# Allegro board board_orcad.brd (continued)
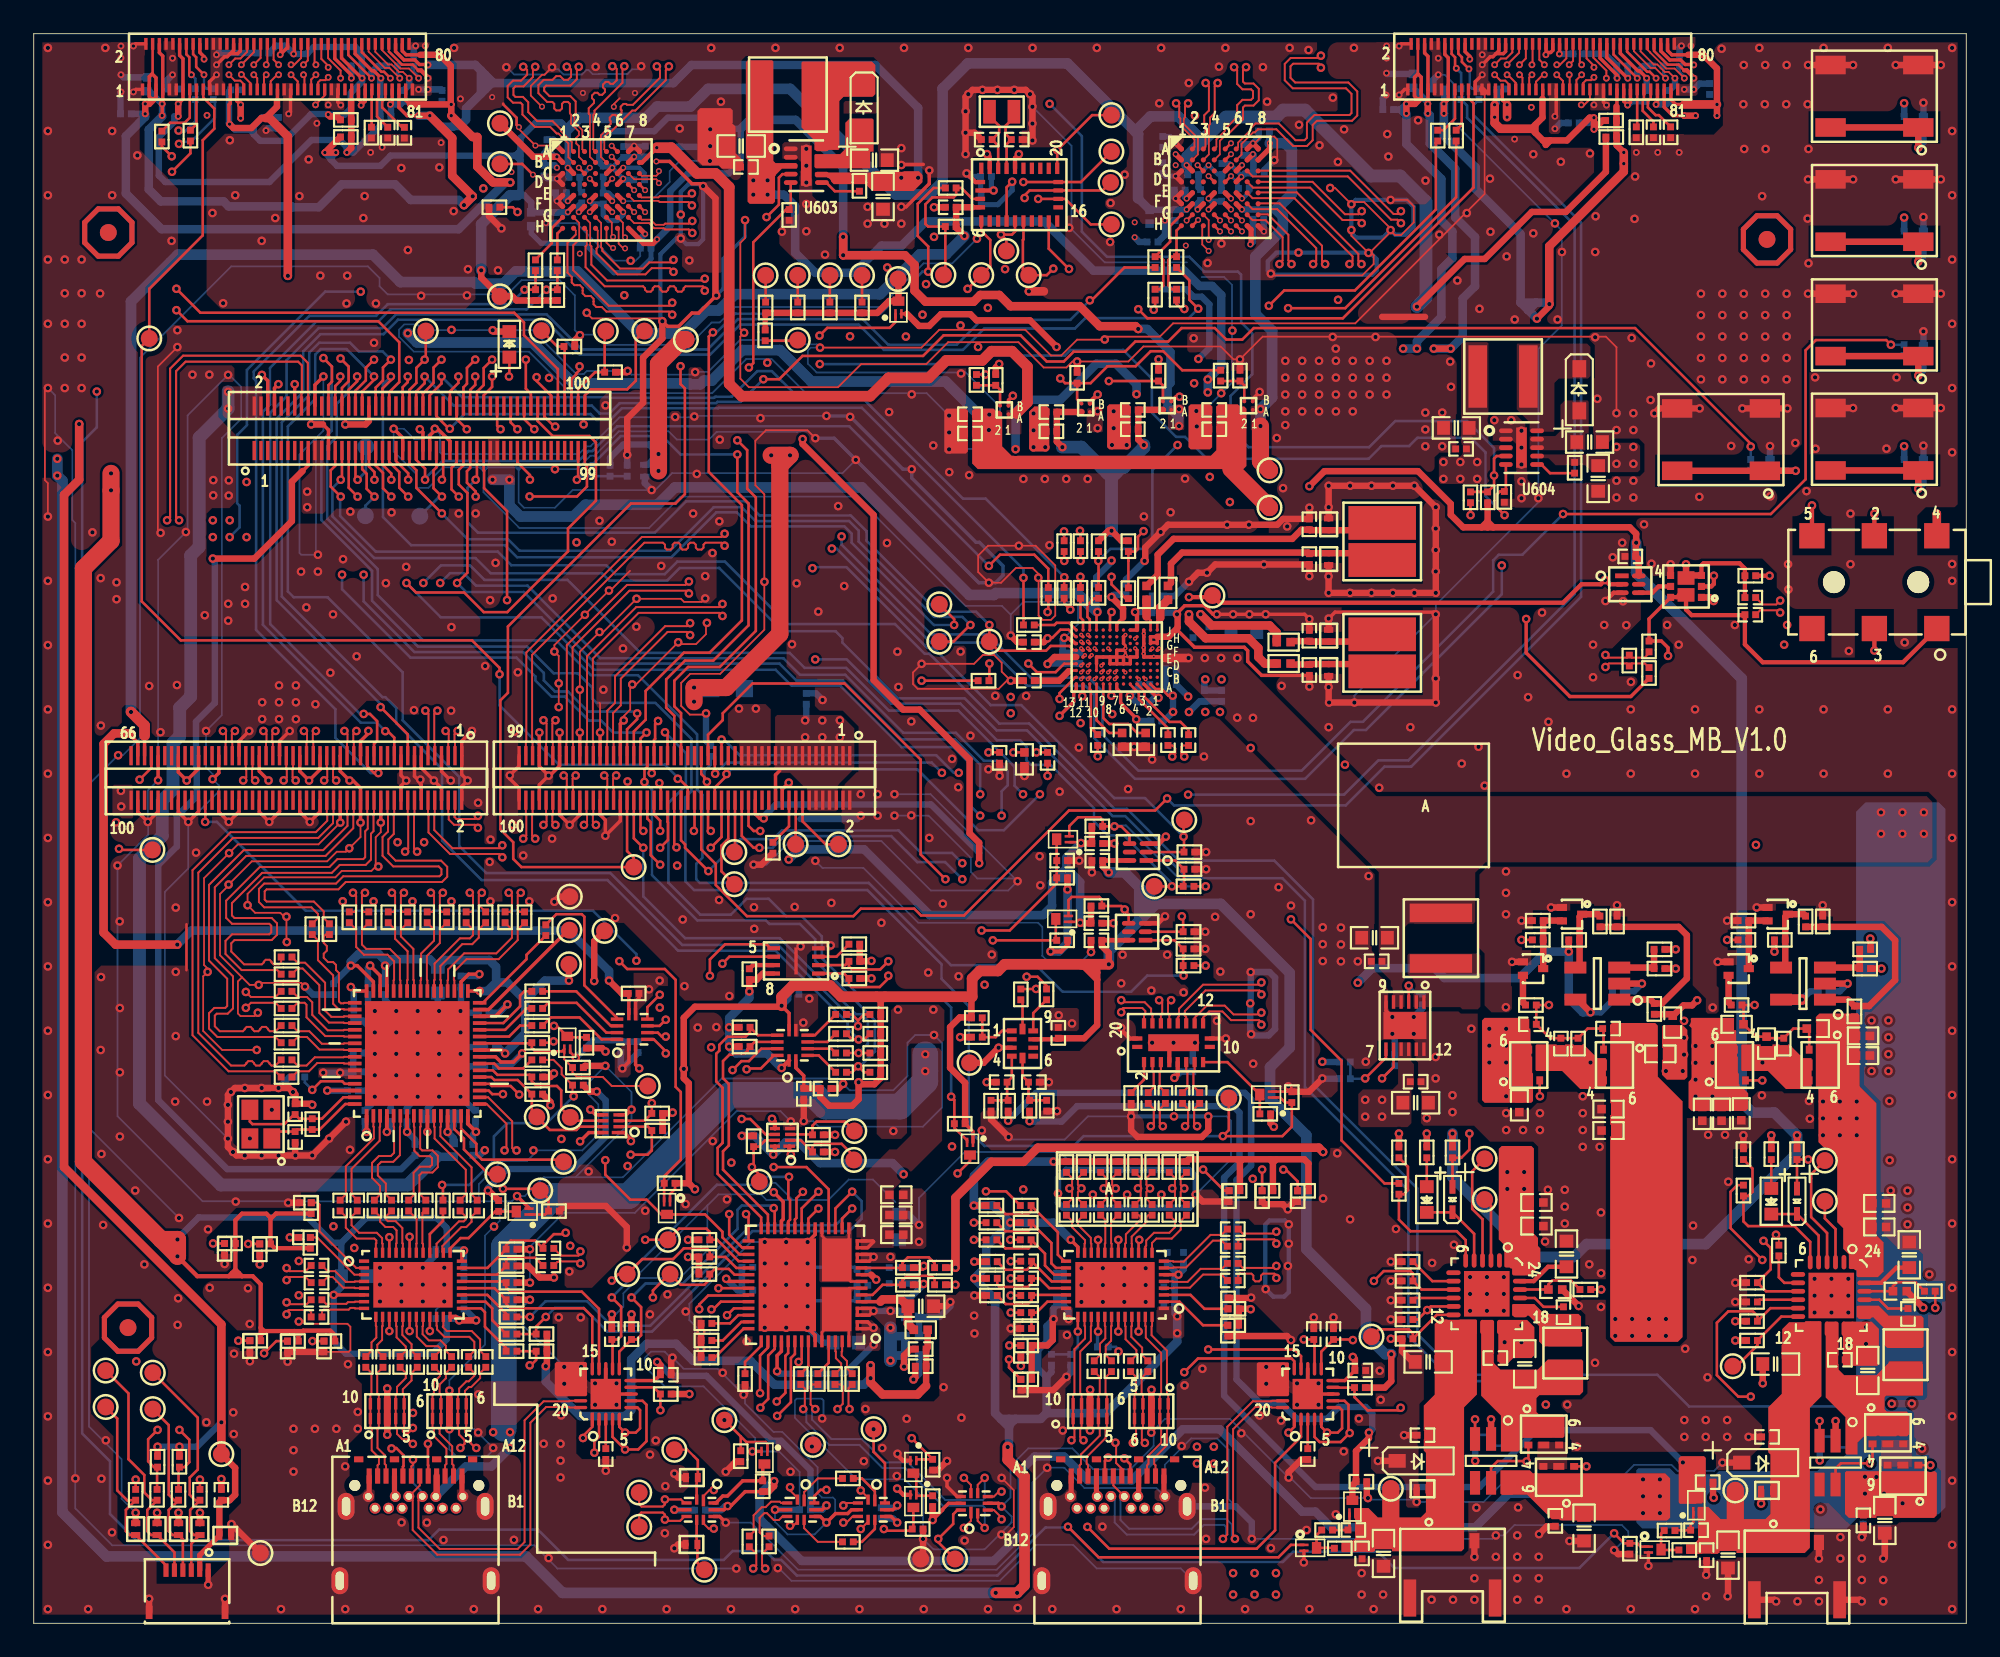
[diagram p0: board, top side]
## Routing (per net, layer and track width the routed paths; a pad name or vN(x,y) marks a point on that pad's centre or on a via; arc(x,y) is an arc through that point) (continued)
546_EN: length 5.1
  TOP w0.152: Q404.3 27.57,24.41 R436.2 27.36,24.42 25.78,22.83 25.3,22.83 24.68,22.22 U401.29
4212_SEL: length 5.3
  TOP w0.152: R542.2 72.68,31.34 Q503.3 70.75,33.27 U503.9
APQ_REOUT_N: length 38.9
  TOP w0.152: v1(25.2,66.79) 24.77,67.22 24.77,68.5 25.07,68.81 J302.61 ; Q301.1 51.08,77.14 50.74,76.8 47.04,76.8 v1(46.58,76.34)
  ART06 w0.122: v1(25.2,66.79) 25.67,66.32 29.71,66.32 30.25,66.86 30.25,71.75 31.41,72.92 44.69,72.92 45.59,73.81 46.61,73.81 47.16,74.37 47.16,75.75 v1(46.58,76.34)
AUXN: length 25.1
  TOP w0.152: R720.1 30.73,34.42 v1(30.81,34.5) ; U401.27 26.89,21.07 R411.1 28,22.41 28.27,22.68 29.73,22.68 C425.1 30.19,22.42 30.83,23.07 31.35,23.07 31.44,23.15 v1(31.53,23.15)
  ART06 w0.122: v1(30.81,34.5) 29.92,33.6 29.92,31.47 28.91,30.45 28.35,30.45 26.19,28.3 26.19,27.43 26.67,26.95 28.22,26.95 29.86,25.31 29.86,24.7 31.41,23.15 v1(31.53,23.15)
BACKLIGHT_EN: length 112
  TOP w0.152: R606.2 85.17,65.7 v1(85.17,65.69) ; v1(35.77,53.94) 35.77,53.6 35.17,53 J301.67
  ART03 w0.122: v1(85.17,65.69) 85.17,64.56 v1(87.02,62.71)
  ART06 w0.122: v1(47.31,63.71) 44.74,66.28 38.2,66.28 34.92,63.01 31.77,63.01 31.35,63.42 20.82,63.42 v1(19.56,62.16)
  BOTTOM w0.152: v1(47.31,63.71) 47.59,63.71 53.16,58.14 56.34,58.14 58.9,55.57 62.33,55.57 62.86,55.04 62.86,52.48 65.28,50.06 75.36,50.06 78.26,52.96 78.97,52.96 87.02,61.01 v1(87.02,62.71) ; v1(35.77,53.94) 35.66,54.05 32.86,54.05 31.67,55.24 30.89,55.24 30.24,55.9 30.24,56.34 29,57.58 22.57,57.58 19.56,60.59 v1(19.56,62.16)
BOOT_CONF_1P8: length 10.5
  TOP w0.305: R314.2 43.36,77.66 R313.2
  TOP w0.381: R313.2 R311.2 R312.2 R310.2 50,77.68 50.69,78.38 Q301.3 51.26,79.66 TP306.1
BOOT_CONFIG1: length 1.6
  TOP w0.152: TP310.1 R312.1
BOOT_CONFIG2: length 1.6
  TOP w0.152: TP308.1 R313.1
BOOT_CONFIG3: length 1.9
  TOP w0.152: TP307.1 45.25,76.03 R314.1
BTN_PHONE_ON_N: length 94
  TOP w0.152: J301.32 42.37,47.28 42.68,46.97 v1(43.06,46.97)
  ART03 w0.122: v1(110.87,83.34) 110.17,84.03 101.55,84.03 90.01,72.49 82.5,72.49 78.68,68.67 71.92,68.67 66.91,63.66 63.98,63.66 62.4,65.24 57.48,65.24 50.29,58.05 50.29,50.27 49.5,49.48 49.5,47.6 48.36,46.46 43.58,46.46 v1(43.06,46.97)
  BOTTOM w0.381: R1104.1 v1(110.87,83.34)
CAM0_RST_N: length 102.4
  TOP w0.152: TP702.1 v1(67.47,43.69) R706.2 68.18,43.74 R717.2 67.67,45.22 U703.1 ; J302.42 21.07,72.99 21.67,73.58 21.67,75.95 20.42,77.19 9.11,77.19 v1(8.46,77.84)
  ART06 w0.122: v1(46.32,57.14) 46.32,57.35 44.95,58.72 41.16,58.72 39.84,60.04 38.21,60.04 37.99,59.82 34.96,59.82 34.47,60.3 31.69,60.3 31.28,59.89 26.63,59.89 25.9,60.62 18.22,60.62 17.34,61.49 17.34,68.75 12.45,73.64 12.45,73.85 v1(8.46,77.84)
  BOTTOM w0.152: v1(46.32,57.14) 48.19,57.14 50.82,54.52 54.93,54.52 57.1,52.35 58.47,52.35 58.85,51.97 58.85,51.16 59.12,50.89 60.28,50.89 62.85,48.32 62.85,47.54 63.68,46.71 64.62,46.71 67.47,43.86 v1(67.47,43.69)
CAM0_STANDBY_N: length 86.5
  TOP w0.152: U704.1 67.62,40.5 R719.2 R709.2 68.13,38.43 v1(68.16,38.4) ; v1(18.19,74.98) 18.67,74.5 18.67,73.63 18.27,73.24 J302.28
  BOTTOM w0.152: v1(68.16,38.4) 66.01,38.4 65.05,37.44 60.99,37.44 59.42,39.01 54.37,39.01 49.49,43.89 39.49,43.89 39.27,44.11 39.27,45.02 39.64,45.39 39.64,49.11 39.32,49.43 39.32,52.7 35.82,56.21 33.03,56.21 30.97,58.27 23.08,58.27 20.39,60.95 20.39,62.49 17.4,65.49 17.4,69.77 17.96,70.33 17.96,72.29 18.67,73 18.67,74.5 v1(18.19,74.98)
CAM1_RST_N: length 111.4
  TOP w0.152: TP703.1 68.16,47.58 v1(68.16,46.63) 68.18,46.61 R708.1 U703.2 ; v1(8.46,79.11) 9.88,77.69 28.48,77.69 29.06,77.11 29.06,76.36 31.07,74.35 J302.92
  ART06 w0.122: v1(8.46,79.11) 8.46,78.52 12.73,74.25 12.73,73.76 17.73,68.75 17.73,61.59 18.4,60.92 26.01,60.92 26.75,60.18 28.52,60.18 30.15,61.8 37.65,61.8 38.39,62.55 v1(46.16,62.55)
  BOTTOM w0.152: v1(46.16,62.55) 46.17,62.55 46.23,62.61 48.17,62.61 52.96,57.83 53.33,57.83 56.72,54.43 58.54,54.43 64.05,48.92 65.87,48.92 v1(68.16,46.63)
CAM1_STANDBY_N: length 43.5
  TOP w0.152: v1(68.06,41.91) 68.13,41.83 R718.2 U704.2 ; v1(54.04,44.11) 52.57,45.58 52.57,51.2 48.06,55.71 42.61,55.71 40.84,53.95 40.84,53.54 39.97,52.67 J301.43
  ART03 w0.152: v1(68.06,41.91) 68.06,41.95 67.51,42.49 65.74,42.49 65.13,43.1 63.04,43.1 62.48,42.55 59.07,42.55 58.47,43.14 55.01,43.14 v1(54.04,44.11)
CCI_I2C_SCL0: length 128.6
  TOP w0.152: J501.27 20.17,52.13 20.36,52.31 20.36,53.48 19.93,53.91 v1(19.56,53.91) ; v1(62.6,78.43) 62.71,78.43 64.65,80.38 R633.2 ; v1(35.38,27.78) 36.38,27.78 36.64,28.03 R704.1 36.41,29.44 U702.2
  ART03 w0.122: v1(19.56,53.91) 19.98,53.91 20.29,53.6 21.44,53.6 21.81,53.23 22.69,53.23 24.21,51.71 24.72,51.71 27.11,49.32 27.11,47.49 28.24,46.35 28.24,45.13 29.97,43.41 29.97,37.43 26.79,34.26 26.79,30.68 28.29,29.18 33.98,29.18 v1(35.38,27.78)
  BOTTOM w0.152: v1(19.56,53.91) 19.34,53.91 14.02,59.24 14.02,71.76 14.99,72.73 14.99,74.88 16.89,76.78 20.66,76.78 21.47,77.59 30.41,77.59 32.49,75.51 39.94,75.51 41.74,77.31 49.13,77.31 50.65,75.8 54.72,75.8 56.19,77.27 61.44,77.27 v1(62.6,78.43)
CCI_I2C_SDA0: length 131.7
  TOP w0.152: J501.17 22.17,52.7 v1(20.56,54.31) ; R634.2 68.5,79.61 68.5,78.46 v1(69.03,77.93) ; U702.3 36.2,29.79 R705.1 v1(36.64,30.84)
  ART03 w0.122: v1(20.56,54.31) 20.97,53.9 21.65,53.9 22.03,53.52 22.84,53.52 24.3,52.06 24.8,52.06 27.38,49.48 27.38,47.62 28.52,46.48 28.52,45.3 30.3,43.53 30.3,37.28 27.1,34.09 27.1,30.88 28.52,29.46 35.93,29.46 36.64,30.17 v1(36.64,30.84)
  BOTTOM w0.152: v1(20.56,54.31) 20.56,54.49 14.4,60.66 14.4,71.41 15.98,72.99 15.98,75.4 17,76.42 20.74,76.42 21.59,77.28 30.29,77.28 32.36,75.21 40.09,75.21 41.87,76.99 48.9,76.99 50.39,75.49 55.08,75.49 56.34,76.76 61.72,76.76 62.34,77.38 68.47,77.38 v1(69.03,77.93)
CDC_MCLK: length 45.4
  TOP w0.152: v1(56.62,62.69) 57.28,63.35 59.31,63.35 60.14,62.52 R1003.1 ; v1(23.2,67.79) 23.2,68.45 22.67,68.97 J302.49
  BOTTOM w0.152: v1(23.2,67.79) 23.2,67.86 24.24,68.91 32.3,68.91 32.88,69.49 33.12,69.49 34.59,70.96 48.34,70.96 v1(56.62,62.69)
CHG_PWR: length 18.5
  TOP w0.381: v1(98.6,36.93) 98.3,36.63 97.79,36.63 97.18,36.02 C817.2 97.07,36.1 R839.2 ; R925.1 v1(103,28.93) ; R923.1 v1(82.58,29.03)
  ART03 w0.381: v1(98.6,36.93) 98.6,36.5 100.54,34.56 100.54,31.39 v1(103,28.93)
  ART06 w0.381: 86.23,27.97 83.64,27.97 v1(82.58,29.03)
  vias: v1(86.28,35.24) v1(86.28,34.24) v1(86.28,33.24) v1(87.28,35.24) v1(87.28,34.24) v1(87.28,33.24) v1(87.28,32.24) v1(87.28,31.24) v1(87.35,26.75) v1(87.35,25.75) v1(88.35,26.75) v1(88.35,25.75) v1(106.06,30.93) v1(106.06,29.93) v1(106.06,28.93) v1(107.06,30.93) v1(107.06,29.93) v1(107.06,28.93) v1(108.06,30.93) v1(108.06,29.93) v1(108.06,28.93)
CODEC_DATA: length 44
  TOP w0.152: R1017.2 61.08,64.72 v1(61.07,64.73) ; v1(37.11,37.26) 36.38,36.53 U701.6
  ART03 w0.122: v1(37.11,37.26) 38.2,38.35 38.2,39.12 42.01,42.93 44.87,42.93 46.33,44.39 47.26,44.39 50.5,47.62 50.5,49.43 50.6,49.53 50.6,57.86 57.46,64.73 v1(61.07,64.73)
CODEC_INT1_N: length 52.7
  TOP w0.152: v1(24.19,65.8) 22.68,67.31 22.68,68.35 22.27,68.76 J302.47 ; TP1003.1 54.52,58.2 55.5,59.18 v1(55.52,59.18)
  TOP w0.203: v3(62.49,57.8) 62.6,57.69 U1001.F11
  GND02 w0.102: v4(63.04,58.25) 62.87,58.08 62.77,58.08 62.49,57.8 v3(62.49,57.8)
  ART03 w0.122: v4(63.04,58.25) 61.98,59.31 58.64,59.31 58.12,59.84 56.18,59.84 v1(55.52,59.18)
  BOTTOM w0.152: v1(55.52,59.18) 55.04,59.66 53.37,59.66 48.9,64.13 48.9,64.78 48.33,65.34 42.78,65.34 41.96,66.17 40.31,66.17 37.73,63.59 28.79,63.59 28.11,64.27 25.72,64.27 v1(24.19,65.8)
CODEC_LDOENA: length 46.4
  TOP w0.152: v1(56.65,59.18) 56.65,59.18 TP1001.1 57.19,57.66 60,57.66 60.28,57.94 61.39,57.94 61.63,57.69 61.79,57.69 U1001.F13 ; v1(26.2,67.79) 26.27,67.87 J302.67
  BOTTOM w0.152: v1(26.2,67.79) 25.71,67.31 25.71,65.27 26.33,64.65 36.81,64.65 38.67,66.51 42.19,66.51 43.03,65.67 48.43,65.67 49.36,64.74 49.36,64.18 53.57,59.97 55.86,59.97 v1(56.65,59.18)
CODEC_MCLK: length 33.2
  TOP w0.152: v1(37.47,35.78) 37.1,35.42 U701.5 ; R1004.1 v1(52.63,55.88)
  ART03 w0.122: v1(52.63,55.88) 51.52,54.77 51.52,47.53 47.56,43.57 47.08,43.57 45.47,41.96 42.08,41.96 39.06,38.93 39.06,37.38 v1(37.47,35.78)
CODEC_RESET_N: length 64.1
  TOP w0.152: v3(63.29,56.77) 63.4,56.88 U1001.D9 ; TP1002.1 54.56,59.53 v1(54.56,59.18) ; J302.40 20.67,73.2 21.17,73.7 v1(21.17,73.91)
  GND02 w0.152: v3(63.29,56.77) 63.29,57.26 v4(63.32,57.3)
  ART03 w0.122: v1(54.56,59.18) 55.47,58.27 55.47,56.36 56.01,55.83 57.05,55.83 57.58,56.36 58.65,56.36 59,56.01 61.23,56.01 62.67,57.45 63.17,57.45 v4(63.32,57.3)
  BOTTOM w0.152: v1(54.56,59.18) 53.36,59.18 48.48,64.06 48.48,64.6 48.05,65.03 42.51,65.03 41.68,65.86 40.46,65.86 37.8,63.2 28.65,63.2 27.93,63.91 22.37,63.91 20.7,65.58 20.7,73.44 v1(21.17,73.91)
CODEC_SCL: length 56.7
  TOP w0.152: R1019.2 63.12,63 v1(63.1,62.98) 63.12,62.97 R1002.1 ; v1(37.13,46.97) 37.13,47.58 36.77,47.94 J301.60
  ART03 w0.122: v1(37.13,46.97) 39.1,48.95 41,48.95 43.69,51.64 43.69,54.75 45.29,56.35 46.61,56.35 48.05,57.79 48.05,58.93 56.16,67.05 65,67.05 v1(67.8,69.85)
  BOTTOM w0.152: v1(67.8,69.85) 66.31,68.36 66.31,64.27 65.74,63.69 63.81,63.69 v1(63.1,62.98)
CODEC_SCLK: length 44.8
  TOP w0.152: U701.4 36.99,35.02 37.23,34.78 v1(37.47,34.78) ; R1015.2 62.05,62.03 v1(62.04,62.04)
  ART03 w0.122: v1(37.47,34.78) 37.63,34.78 39.85,37.01 39.85,37.22 41.57,38.94 42.97,38.94 45.09,41.06 46.25,41.06 46.75,41.56 47.6,41.56 51.33,45.29 51.33,46.29 52.6,47.56 52.6,53.23 53.64,54.28 53.64,59.51 55.35,61.21 61.22,61.21 v1(62.04,62.04)
CODEC_SDA: length 50.3
  TOP w0.152: v1(65.79,64.74) 65.46,64.41 65.46,63.69 65.3,63.54 R1018.2 64.89,62.99 64.88,62.98 64.89,62.98 R1001.1 ; v1(37.13,44.97) 36.58,45.53 36.58,47.5 36.37,47.7 J301.62
  ART03 w0.122: v1(65.79,64.74) 64.71,65.82 57.01,65.82 49.66,58.47 49.66,51.38 46.86,48.59 42.82,48.59 41.43,47.19 41.41,47.19 40.69,46.47 38.75,46.47 38.57,46.29 38.57,45.81 38.21,45.45 37.6,45.45 v1(37.13,44.97)
CODEC_WS: length 49.3
  TOP w0.152: R1016.2 62.05,64.74 v1(62.02,64.77) ; v1(37.47,33.78) 37.47,33.91 36.76,34.62 U701.3
  ART03 w0.122: v1(62.02,64.77) 62.02,63.84 62.61,63.25 62.61,61.93 61.52,60.83 55.42,60.83 53.98,59.39 53.98,54.03 52.95,53 52.95,47.34 51.68,46.07 51.68,45.12 47.77,41.2 46.84,41.2 46.39,40.75 45.22,40.75 43.05,38.59 41.74,38.59 40.31,37.16 40.31,36.95 37.47,34.1 v1(37.47,33.78)
CTRL: length 78.6
  TOP w0.152: U604.4 86.72,69.2 86.56,69.05 v1(86.56,68.05) 86.56,67.45 R605.1 R606.1 ; U603.4 44.38,85.91 44.17,85.7 44.17,84.1 v1(43.44,83.37)
  ART03 w0.122: v1(43.44,83.37) 44.22,83.37 45.03,84.18 45.03,87.97 48.98,91.91 58.64,91.91 60.22,90.33 v1(60.22,90.08)
  BOTTOM w0.152: v1(86.56,68.05) 86.56,69.67 84.96,71.27 80.71,71.27 79.16,69.72 72.01,69.72 70.94,70.79 70.94,72.76 72.23,74.05 72.23,76.46 71.57,77.13 71.57,79.95 71.38,80.13 69.38,80.13 68.5,81.01 63.62,81.01 62.13,82.5 62.13,88.17 v1(60.22,90.08)
DP_D0+: length 5.8
  TOP w0.114: U705.2 20.13,29.45 20.16,29.42 20.16,28.75 18.5,27.09 18.5,25.42 C426.2
DP_D0-: length 5.8
  TOP w0.114: C427.2 18.84,25.42 18.84,26.94 20.5,28.61 20.5,29.42 20.53,29.45 U705.3
DP_D1+: length 6.3
  TOP w0.114: U705.5 21.33,29.45 21.36,29.42 21.36,27.89 21.17,27.7 20.46,27.7 20.05,27.29 20.05,26.4 20.53,25.93 20.53,25.42 C428.2
DP_D1-: length 6.3
  TOP w0.114: U705.6 21.73,29.45 21.7,29.42 21.7,27.75 21.31,27.36 20.6,27.36 20.4,27.15 20.4,26.55 20.87,26.07 20.87,25.42 C429.2
DP_D2+: length 6.7
  TOP w0.114: C430.2 22.52,25.38 22.52,26.71 22.88,27.07 23.5,27.07 23.61,27.18 23.61,27.58 23.5,27.69 22.88,27.69 22.56,28.01 22.56,29.42 22.53,29.45 U705.8
DP_D2-: length 6.8
  TOP w0.114: U705.9 22.93,29.45 22.9,29.42 22.9,28.15 23.02,28.03 23.64,28.03 23.95,27.72 23.95,27.04 23.64,26.73 23.02,26.73 22.86,26.57 22.86,25.47 C431.2
DP_D3+: length 5.9
  TOP w0.114: U705.11 23.73,29.45 23.76,29.42 23.76,28.74 25.61,26.89 25.61,25.42 C432.2
DP_D3-: length 5.9
  TOP w0.114: U705.12 24.13,29.45 24.1,29.42 24.1,28.88 25.95,27.03 25.95,25.42 C433.2
DPEQ0/A1: length 12.7
  TOP w0.152: U501.14 v1(64.29,22.73) ; v1(72.81,26.9) R528.1
  ART03 w0.122: v1(72.81,26.9) 72.81,26.15 69.9,23.24 64.8,23.24 v1(64.29,22.73)
DPEQ1: length 4.4
  TOP w0.152: U501.2 67.91,19.07 69.31,17.67 R529.2
DRAIN1: length 3
  TOP w0.152: 47.12,22.57 46.72,22.97 U801.19 ; 48.12,20.57 48.43,20.27 U801.8 ; 48.12,22.57 48.32,22.78 U801.15
DRAIN2: length 3.2
  TOP w0.152: U801.56 48.32,17.45 48.12,17.65 ; U801.52 46.72,17.25 47.12,17.65 ; U801.7 48.33,19.87 48.12,19.65
EQ0: length 10.7
  TOP w0.152: v1(57.81,15.65) 57.81,15.17 R532.1 ; U501.38 v1(65.49,17.3)
  ART03 w0.122: v1(57.81,15.65) 58.39,16.23 63.62,16.23 64.18,16.79 64.98,16.79 v1(65.49,17.3)
EQ1: length 8.4
  TOP w0.152: U501.35 v1(64.29,17.3) ; R534.1 v1(57.83,16.47)
  ART03 w0.122: v1(57.83,16.47) 57.89,16.54 63.53,16.54 v1(64.29,17.3)
FAST_BOOT_0: length 5.3
  TOP w0.152: TP303.1 31.04,75.69 R306.1 31.47,75.65 J302.94
FORCED_USB_BOOT: length 7.2
  TOP w0.152: J302.100 32.67,72.8 33.02,73.15 35.18,73.15 35.69,73.66 35.69,76.1 TP305.1
FORCED_USB_BOOT1: length 1.6
  TOP w0.152: TP311.1 R310.1
GPIO5: length 11.9
  TOP w0.114: Q703.1 31.45,33.43 R754.1 31.94,32.65 32.21,32.38 33.73,32.38 34.26,31.85 TP712.1
  TOP w0.152: U705.26 29.49,34.38 R720.2 29.52,34.1 29.72,33.91 31.31,33.91 Q703.1
GPIO5_CPU: length 26.1
  TOP w0.152: R726.2 31.68,34.74 Q703.3 31,35.42 v1(30.84,35.42) ; J301.59 36.77,52.37 36.84,52.43 36.84,53.32 v1(37.01,53.49)
  ART03 w0.122: v1(37.01,53.49) 36.94,53.42 36.94,51.74 35.73,50.54 35.73,48.48 35.66,48.42 35.66,45.77 36,45.43 36,42.42 34.37,40.79 32.99,40.79 30.84,38.64 v1(30.84,35.42)
GPIO14: length 2.9
  TOP w0.152: R803.2 40.36,15.75 42.08,17.47 U801.42
GPIO15: length 2.3
  TOP w0.152: R804.2 42.16,15.49 43.12,16.45 U801.43
GPIO76_BACK_KEY: length 89.2
  TOP w0.152: v1(43.25,73.75) 44.19,73.75 45.57,75.13 52.72,75.13 53.93,76.35 58.5,76.35 60.05,74.8 61.06,74.8 61.64,75.38 64.69,75.38 65.3,75.99 67.25,75.99 68.05,76.78 70.01,76.78 70.69,76.1 71.64,76.1 72.32,76.78 94.92,76.78 101.78,69.93 v1(101.78,69.76) ; J302.50 22.67,73.01 23.17,73.51 v1(23.17,73.91)
  BOTTOM w0.152: R1111.1 v1(101.78,69.76) ; v1(23.17,73.91) 24.89,72.19 33.08,72.19 33.55,71.72 34.12,71.72 34.74,72.33 40.45,72.33 40.52,72.41 41.91,72.41 v1(43.25,73.75)
GPIO77_BOOT_UP: length 214.5
  TOP w0.152: v1(61.31,5.72) 63.11,3.91 73.79,3.91 74.52,4.65 Q402.1 ; Q403.1 95.25,4.54 95.06,4.74 R932.1 94.27,4.74 v1(93.68,5.33) ; v1(24.17,74.91) 23.7,74.44 23.7,73.53 23.07,72.9 J302.52
  ART03 w0.122: v1(3.74,73.02) 3.74,77.4 7.79,81.45 20.95,81.45 24.17,78.23 v1(24.17,74.91)
  BOTTOM w0.152: v1(3.74,73.02) 3.74,70.9 2.87,70.03 2.87,11.25 4.52,9.6 4.52,6.48 6.07,4.93 23.4,4.93 24.03,5.55 29.88,5.55 31.68,3.75 40.9,3.75 41.43,4.28 43.38,4.28 43.91,3.75 44.31,3.75 45.23,2.83 57.12,2.83 59.97,5.68 61.26,5.68 v1(61.31,5.72) 63.39,3.63 74.04,3.63 74.65,4.24 79.68,4.24 80.64,3.28 91.62,3.28 v1(93.68,5.33)
GPSWN: length 49.3
  TOP w0.114: v1(93.17,57.4) 93.33,57.25 94.43,57.25 R1010.1 94.73,57.25 95.49,57.25 95.75,57.51 R1011.2 ; v3(62.49,56.77) 62.59,56.88 U1001.D11
  GND02 w0.102: 61.31,56.42 61.94,57.05 62.21,57.05 v3(62.49,56.77)
  GND02 w0.152: v1(57.91,54.91) 58.3,54.52 59.41,54.52 61.31,56.42
  ART03 w0.114: v1(93.17,57.4) 92.98,57.22 91.99,57.22 85.2,50.43 62.4,50.43 59.7,53.13 59.7,53.35 58.45,54.6 58.03,54.6 57.91,54.72 v1(57.91,54.91)
GPSWP: length 48.6
  TOP w0.114: v3(62.08,56.77) 62.19,56.88 U1001.D12 ; v1(93.17,56.69) 93.38,56.9 94.43,56.9 R1010.2 94.73,56.9 95.5,56.9 R1009.1
  GND02 w0.102: 61.55,56.23 v3(62.08,56.77)
  GND02 w0.152: v1(57.91,53.95) 58.08,54.12 59.43,54.12 61.55,56.23
  ART03 w0.114: v1(57.91,53.95) 57.91,54.15 58.03,54.26 58.31,54.26 59.36,53.21 59.36,52.98 62.26,50.09 85.34,50.09 92.13,56.88 92.98,56.88 v1(93.17,56.69)
GYRO_INT: length 76.9
  TOP w0.152: U1101.14 60.17,81.49 v1(61.37,80.29) ; v1(38.34,74.52) 38.34,73.47 38.6,73.21 38.6,66.94 38.04,66.38 35.4,66.38 28.11,59.09 28.11,55.16 27.66,54.71 27.66,47.07 28.42,46.3 28.42,45.31 28.91,44.83 TP1110.1 35.56,45.39 35.17,45.78 J301.68
  ART06 w0.122: v1(61.37,80.29) 61.37,80.04 58.52,77.19 55.91,77.19 55.07,76.35 52.33,76.35 51.32,77.36 46.77,77.36 44.74,75.34 44.56,75.34 44.55,75.33 39.15,75.33 v1(38.34,74.52)
HDMI_DDC_CLOCK: length 29.7
  TOP w0.152: J301.61 36.37,50.78 36.2,50.61 v1(36.2,49.88) ; R830.1 49.23,32.66 v1(48.87,33.02) 48.51,32.66 R823.1
  BOTTOM w0.152: v1(36.2,49.88) 36.65,49.43 36.65,44.36 39.34,41.67 43.4,41.67 43.61,41.46 45.42,41.46 46.32,40.55 46.32,39.29 49.87,35.74 49.87,33.9 48.98,33.02 v1(48.87,33.02)
HDMI_DDC_DATA: length 25.8
  TOP w0.152: v1(36.13,45.97) 35.57,46.54 J301.66 ; R829.1 v1(48.9,33.81) R824.1
  BOTTOM w0.152: v1(36.13,45.97) 36.13,43.1 38.61,40.61 44.22,40.61 48.73,36.11 49.05,36.11 49.44,35.72 49.44,34.36 v1(48.9,33.81)
HDMI_HOT_PLUG_DETECT: length 41.1
  TOP w0.152: v1(37.42,52.82) 37.57,52.67 J301.55 ; Q502.2 55.32,28.63 54.57,29.38 R511.2 54.57,31.03 v1(54.38,31.22)
  BOTTOM w0.152: v1(54.38,31.22) 54.38,36.5 53.79,37.09 49.06,37.09 46.72,39.43 46.72,40.72 45.53,41.9 44.61,41.9 43.57,42.95 42.27,42.95 41.32,42.01 39.51,42.01 37.62,43.9 37.62,48.63 38.66,49.67 38.66,51.58 v1(37.42,52.82)
HDMI_TCLK_N: length 66.8
  TOP w0.114: R503.2 65.96,26.39 65.96,25.99 v1(66.17,25.78) 65.96,25.57 65.96,25.17 C507.1 ; v1(27.77,46.12) 27.6,45.95 24.82,45.95 23.74,47.03 23.74,47.96 23.77,47.99 J501.10
  ART06 w0.114: v1(27.77,46.12) 27.6,45.95 26.36,45.95 26.05,45.63 26.05,44.46 26.42,44.09 30.97,44.09 34.73,40.33 44.08,40.33 44.42,40.67 50.33,40.67 51.44,39.56 51.44,38.93 55.38,34.98 55.38,27.82 59.63,23.57 64.82,23.57 65.98,24.73 65.98,25.6 v1(66.17,25.78)
HDMI_TCLK_P: length 66.8
  TOP w0.114: R504.2 65.61,26.39 65.61,25.94 v1(65.46,25.78) 65.61,25.62 65.61,25.17 C508.1 ; v1(27.77,45.41) 27.77,45.43 27.6,45.61 24.68,45.61 23.4,46.88 23.4,47.96 23.37,47.99 J501.12
  ART06 w0.114: v1(27.77,45.41) 27.77,45.43 27.6,45.61 26.5,45.61 26.39,45.49 26.39,44.6 26.56,44.43 27.46,44.43 27.57,44.55 27.57,44.59 27.68,44.71 27.91,44.71 28.03,44.59 28.03,44.55 28.14,44.43 28.37,44.43 28.49,44.55 28.49,44.59 28.6,44.71 28.83,44.71 28.94,44.59 28.94,44.55 29.06,44.43 29.29,44.43 29.4,44.55 29.4,44.59 29.51,44.71 29.74,44.71 29.86,44.59 29.86,44.55 29.97,44.43 30.2,44.43 30.31,44.55 30.31,44.59 30.43,44.71 30.66,44.71 30.77,44.59 30.77,44.55 30.89,44.43 31.11,44.43 34.87,40.67 43.94,40.67 44.28,41.01 50.47,41.01 51.78,39.71 51.78,39.07 55.72,35.13 55.72,27.96 59.77,23.91 64.68,23.91 65.64,24.87 65.64,25.6 v1(65.46,25.78)
HDMI_TX0_N: length 65.6
  TOP w0.114: R501.2 67.99,26.39 67.99,25.99 v1(68.2,25.78) 67.99,25.57 67.99,25.17 C505.1 ; v1(25.13,52.9) 24.94,52.72 24.94,52.27 24.97,52.24 J501.3
  ART06 w0.114: v1(68.2,25.78) 68.01,25.97 68.01,26.78 67.22,27.57 66.33,27.57 62.64,31.26 62.64,33.12 51.27,44.49 42.41,44.49 42.19,44.71 42.19,50.84 41.47,51.56 35.74,51.56 35.63,51.67 35.63,51.87 35.31,52.19 34.63,52.19 34.32,51.87 34.32,51.67 34.2,51.56 33.81,51.56 33.7,51.67 33.7,51.87 33.38,52.19 32.7,52.19 32.39,51.87 32.39,51.67 32.27,51.56 27.59,51.56 27.07,52.07 25.06,52.07 24.94,52.19 24.94,52.72 v1(25.13,52.9)
HDMI_TX0_P: length 65.5
  TOP w0.114: J501.5 24.57,52.24 24.6,52.27 24.6,52.72 v1(24.41,52.9) ; R502.2 67.65,26.39 67.65,25.94 v1(67.49,25.78) 67.65,25.62 67.65,25.17 C506.1
  ART06 w0.114: v1(24.41,52.9) 24.6,52.72 24.6,52.04 24.91,51.73 26.93,51.73 27.44,51.21 32.42,51.21 32.73,51.53 32.73,51.73 32.84,51.84 33.24,51.84 33.35,51.73 33.35,51.53 33.67,51.21 34.35,51.21 34.66,51.53 34.66,51.73 34.78,51.84 35.17,51.84 35.28,51.73 35.28,51.53 35.6,51.21 41.33,51.21 41.85,50.69 41.85,44.56 42.26,44.15 51.13,44.15 62.3,32.98 62.3,31.12 66.19,27.23 67.08,27.23 67.67,26.64 67.67,25.97 v1(67.49,25.78)
HDMI_TX1_N: length 67
  TOP w0.114: C510.1 63.58,25.17 63.58,25.62 v1(63.42,25.78) 63.58,25.94 63.58,26.39 R506.2 ; J501.4 24.97,47.99 24.94,47.96 24.94,47.8 25.06,47.68 26.15,47.68 v1(26.33,47.87)
  ART06 w0.114: v1(63.42,25.78) 63.61,25.6 63.61,25.1 63.37,24.85 60.68,24.85 60,25.53 60,25.7 60.04,25.74 60.04,25.9 59.88,26.06 59.72,26.06 59.67,26.02 59.51,26.02 59.35,26.18 59.35,26.34 59.4,26.39 59.4,26.55 59.23,26.71 59.07,26.71 59.03,26.67 58.87,26.67 58.7,26.83 58.7,26.99 58.75,27.03 58.75,27.19 58.59,27.36 58.43,27.36 58.38,27.31 58.22,27.31 58.06,27.47 58.06,27.64 58.1,27.68 58.1,27.84 57.94,28 57.78,28 57.73,27.96 57.57,27.96 57.01,28.53 57.01,30.82 57.32,31.13 57.32,33.01 56.73,33.6 56.73,35.52 54.26,37.99 54.26,38.68 50.56,42.38 49.27,42.38 48.86,41.98 39.63,41.98 39.12,42.49 39.12,43.73 38.8,44.04 38.12,44.04 37.81,43.73 37.81,42.49 37.69,42.38 37.3,42.38 37.18,42.49 37.18,43.31 36.87,43.62 36.19,43.62 35.88,43.31 35.88,42.49 35.76,42.38 35.25,42.38 34.75,42.88 34.75,47.95 34.43,48.27 28.14,48.27 27.56,47.68 26.51,47.68 v1(26.33,47.87)
HDMI_TX1_P: length 66.9
  TOP w0.114: R505.2 63.93,26.39 63.93,25.99 v1(64.14,25.78) 63.93,25.57 63.93,25.17 C509.1 ; v1(26.33,47.16) 26.15,47.34 24.91,47.34 24.6,47.65 24.6,47.96 24.57,47.99 J501.6
  ART06 w0.114: v1(64.14,25.78) 63.95,25.6 63.95,24.95 63.51,24.51 60.54,24.51 56.66,28.38 56.66,30.96 56.97,31.27 56.97,32.87 56.38,33.46 56.38,35.38 53.91,37.85 53.91,38.54 50.41,42.04 49.41,42.04 49.01,41.64 39.49,41.64 38.77,42.35 38.77,43.59 38.66,43.7 38.26,43.7 38.15,43.59 38.15,42.35 37.84,42.04 37.16,42.04 36.84,42.35 36.84,43.17 36.73,43.28 36.33,43.28 36.22,43.17 36.22,42.35 35.9,42.04 35.11,42.04 34.4,42.74 34.4,47.81 34.29,47.92 28.29,47.92 27.7,47.34 26.51,47.34 v1(26.33,47.16)
HDMI_TX2_N: length 67.1
  TOP w0.114: v1(23.93,54.1) 23.74,53.92 23.74,52.27 23.77,52.24 J501.9 ; R508.2 61.55,26.39 61.55,25.94 v1(61.39,25.78) 61.55,25.62 61.55,25.17 C512.1
  ART06 w0.114: v1(61.39,25.78) 61.58,25.97 61.58,29.3 61.15,29.73 61.15,31.87 55.34,37.68 55.34,38.56 50.67,43.24 41.65,43.24 40.89,44 40.89,47.47 40.12,48.24 35.78,48.24 35.11,48.92 27.93,48.92 26.18,50.68 24.02,50.68 21.95,52.74 21.95,52.8 21.66,53.09 21.66,54.81 21.98,55.12 23.36,55.12 23.74,54.74 23.74,54.29 v1(23.93,54.1)
HDMI_TX2_P: length 67
  TOP w0.114: C511.1 61.89,25.17 61.89,25.57 v1(62.1,25.78) 61.89,25.99 61.89,26.39 R507.2 ; J501.11 23.37,52.24 23.4,52.27 23.4,53.92 v1(23.21,54.1)
  ART06 w0.114: v1(23.21,54.1) 23.4,54.29 23.4,54.6 23.22,54.78 22.12,54.78 22.01,54.66 22.01,53.23 22.12,53.12 22.28,53.12 22.31,53.14 22.47,53.14 22.63,52.98 22.63,52.82 22.58,52.76 22.58,52.6 22.74,52.44 22.9,52.44 22.96,52.5 23.12,52.5 23.28,52.34 23.28,52.17 23.22,52.12 23.22,51.96 23.38,51.79 23.55,51.79 23.6,51.85 23.76,51.85 23.93,51.69 23.93,51.53 23.87,51.47 23.87,51.31 24.16,51.02 26.32,51.02 28.07,49.26 35.25,49.26 35.93,48.59 40.26,48.59 41.23,47.61 41.23,44.14 41.79,43.58 50.81,43.58 55.68,38.7 55.68,37.82 61.49,32.01 61.49,29.87 61.92,29.44 61.92,25.97 v1(62.1,25.78)
HOME_KEY: length 108.1
  TOP w0.152: J302.69 26.67,68.35 26.7,68.33 26.7,67.29 28.06,65.93 v1(28.06,60.66)
  ART06 w0.122: v1(110.87,69.78) 106.72,65.63 93.61,65.63 91.45,67.79 91.45,69.27 88.19,72.53 81.89,72.53 80.95,71.6 79.08,71.6 76.61,69.13 63.14,69.13 61.06,71.21 58.4,71.21 57.2,72.42 53.5,72.42 49.99,68.91 49.99,65.59 47.61,63.21 45.13,63.21 44.86,62.95 38.31,62.95 37.5,62.14 29.54,62.14 v1(28.06,60.66)
  BOTTOM w0.381: R1103.1 v1(110.87,69.78)
HPOUTFB1/MICDET2: length 69
  TOP w0.152: v1(97.94,62.78) 97.94,62.73
  TOP w0.203: U1001.A13 61.8,55.33 61.65,55.18 61.65,54.64 v1(60.81,53.8)
  TOP w0.254: C1026.2 R1012.1 101.43,62.52 101.12,62.84 98.98,62.84 98.86,62.71 U1002.3
  TOP w0.381: U1002.3 98.09,62.12 U1002.8 97.94,62.73
  TOP w0.508: J1003.4 v1(112.81,65.78)
  ART03 w0.254: v1(60.81,53.8) 61.34,54.33 61.34,55.52 61.7,55.88 65.23,55.88 68.12,58.78 72.47,58.78 73.17,58.07 85.24,58.07 89.64,62.47 93.55,62.47 93.94,62.09 97.25,62.09 v1(97.94,62.78) 99.07,63.91 110.94,63.91 v1(112.81,65.78)
HPOUTL: length 65.3
  TOP w0.152: v3(63.69,55.97) 63.8,56.08 U1001.B8 ; v3(62.08,55.97) 62.2,56.08 U1001.B12
  TOP w0.254: J1003.2 v1(109.11,65.78)
  GND02 w0.203: v1(62.05,53.37) 61.65,53.77 61.65,55.21 62.08,55.65 v3(62.08,55.97) ; v3(63.69,55.97) 63.69,55.97 63.69,55.9 64.39,55.2 64.39,54.36 v1(63.93,53.9)
  ART06 w0.254: v1(62.05,53.37) 62.59,53.9 v1(63.93,53.9) 64.41,54.38 64.41,55.17 64.85,55.61 65.56,55.61 68.19,58.24 73.87,58.24 75.54,56.57 79.22,56.57 80.34,55.45 92.86,55.45 93.32,54.98 103.16,54.98 109.11,60.92 v1(109.11,65.78)
HPOUTR: length 55.6
  TOP w0.152: v1(63.88,54.99) 63.8,55.07 U1001.A8
  TOP w0.203: v1(62.15,54.97) 62.2,55.01 U1001.A12
  TOP w0.254: J1003.3 v1(109.11,57.67)
  ART03 w0.254: v1(63.88,54.99) 63.86,54.97 v1(62.15,54.97) 62.15,54.52 64.13,52.54 85.16,52.54 91.19,58.57 108.2,58.57 v1(109.11,57.67)
HRESET: length 20.2
  TOP w0.152: v1(50.39,5.59) 50.5,5.49 51.97,5.49 R821.1 52.14,5.65 Q811.3 ; U801.44 43.52,16.34 43.05,15.88 v1(43.05,13.64)
  ART06 w0.122: v1(50.39,5.59) 49.77,6.21 49.77,8.23 46.94,11.06 43.16,11.06 42.34,11.89 42.34,12.92 v1(43.05,13.64)
I2C1_IRQZ: length 8.3
  TOP w0.152: TP807.1 43.01,26.6 v1(42.57,27.04) 42.67,27.14 R836.1 42.99,28.25 43.36,28.63 U804.7 ; U801.29 42.37,24.11 v1(42.22,24.26)
  ART06 w0.122: v1(42.57,27.04) 42.57,24.6 v1(42.22,24.26)
I2C1_SCL: length 15.1
  TOP w0.152: U801.27 43.52,24.23 40.86,26.89 40.86,27.98 41.2,28.33 41.2,31.97 40.86,32.31 40.86,33.33 41.23,33.71 41.42,33.71 41.48,33.76 42.12,33.76 42.22,33.86 42.27,33.86 42.31,33.91 42.31,34.04 R832.1 42.73,34.46 U805.10